# KiCad board SSRU_v3.3.kicad_pcb
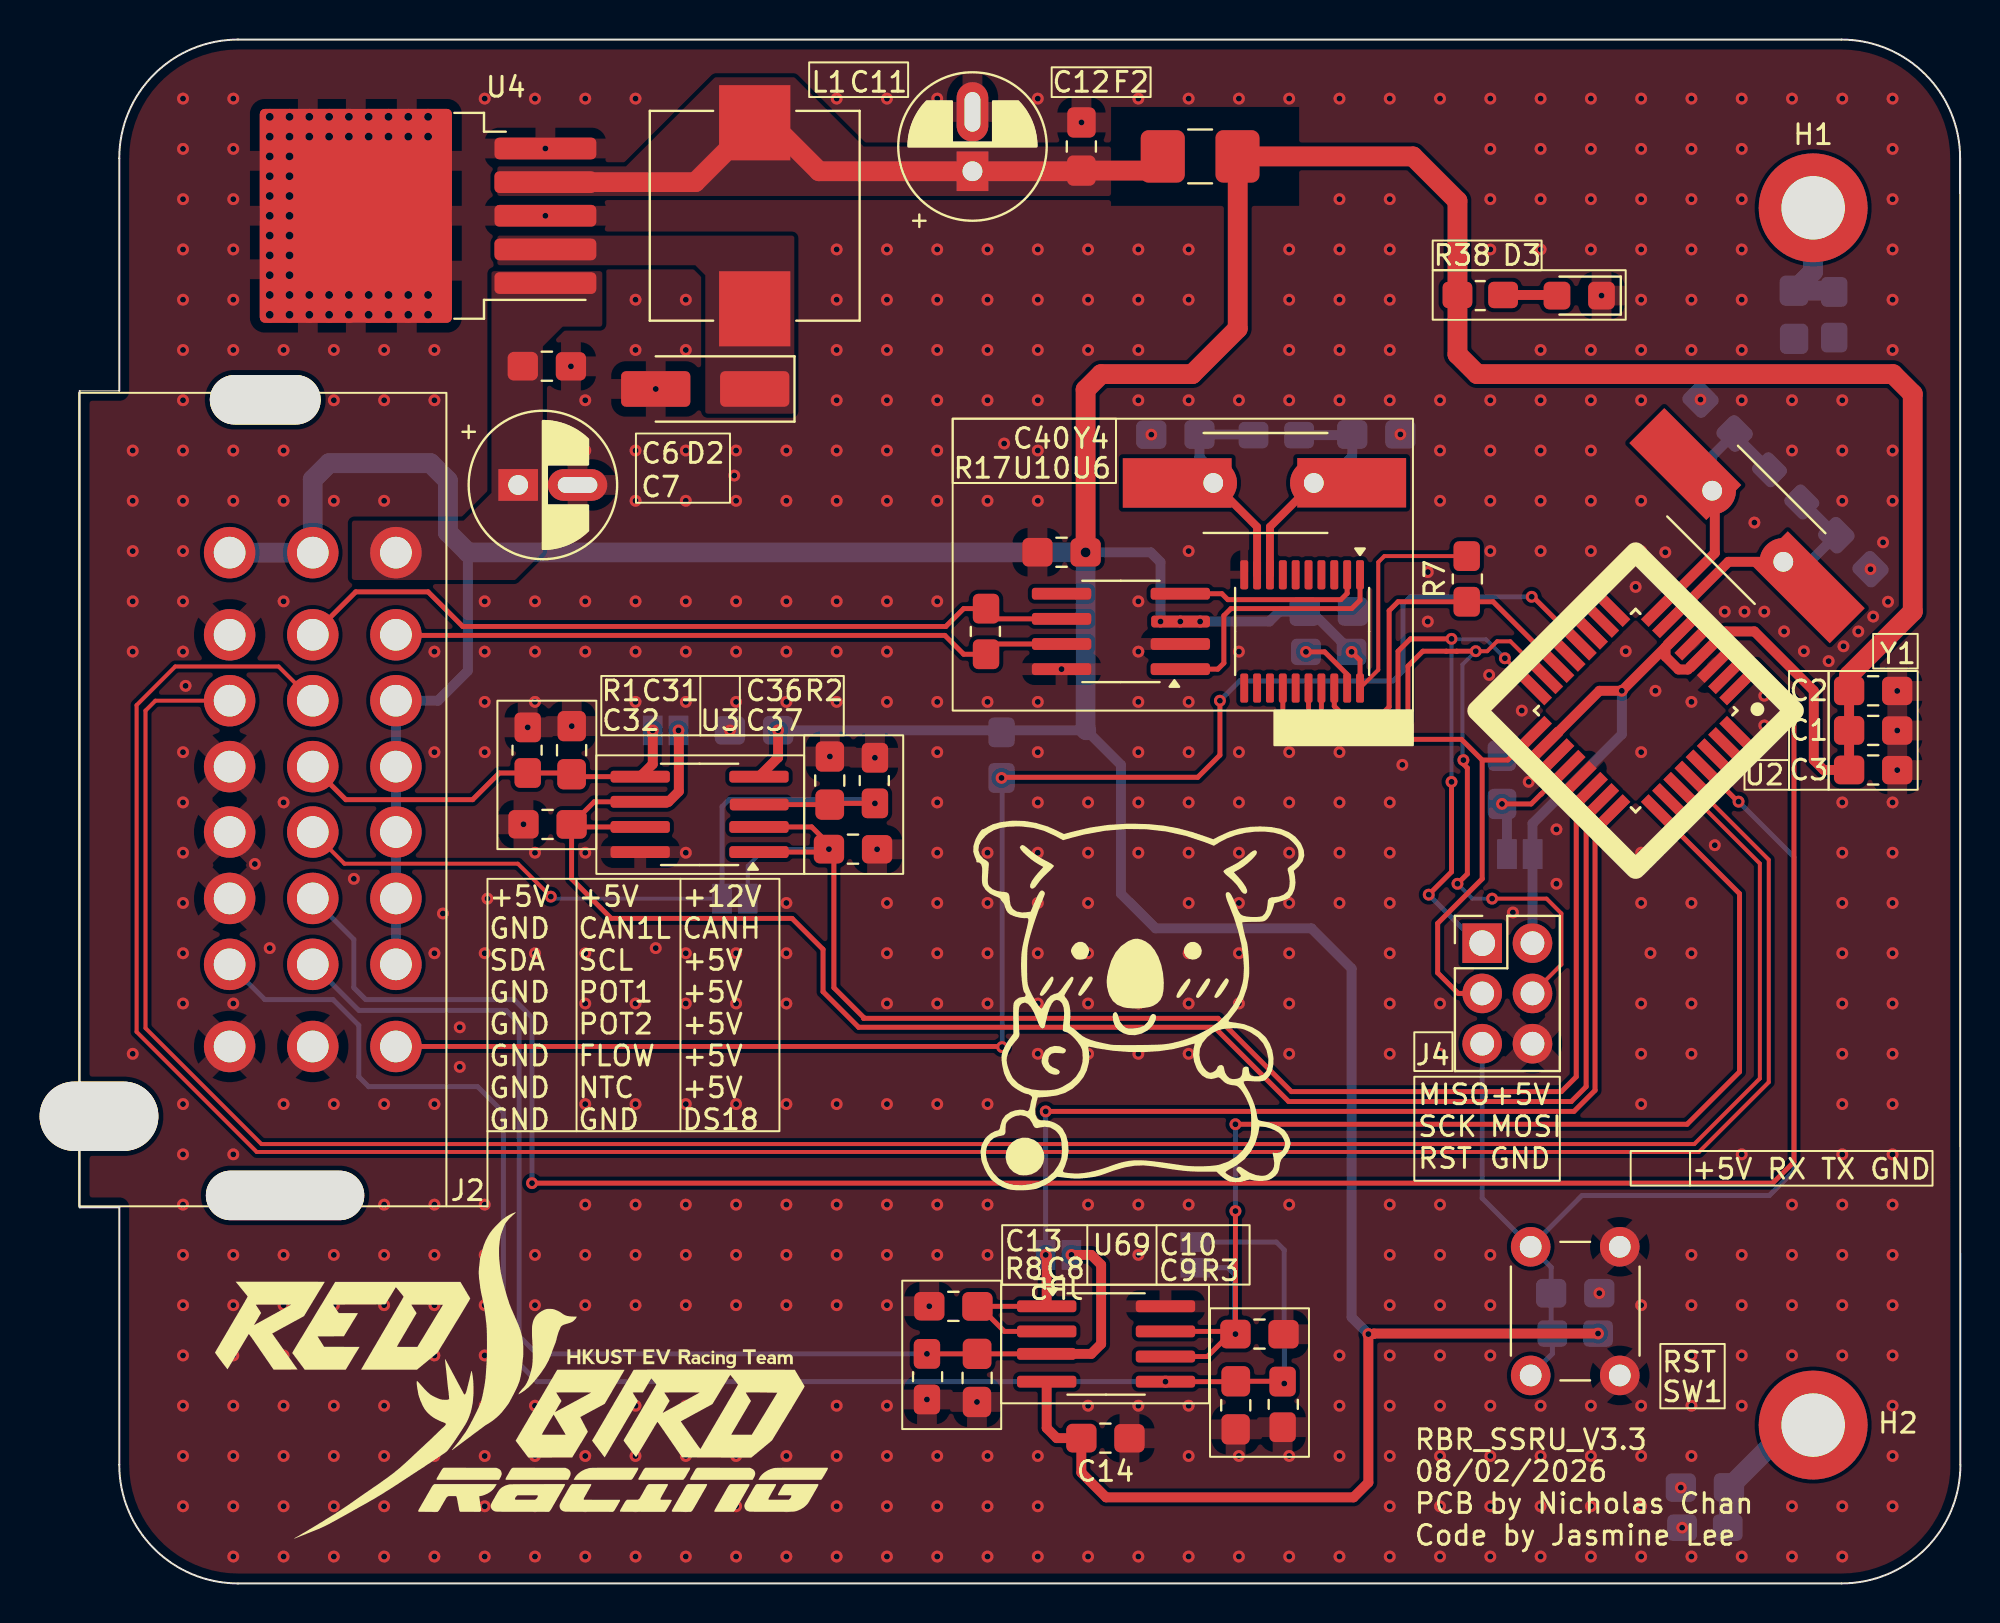
[diagram p0: board, top side]
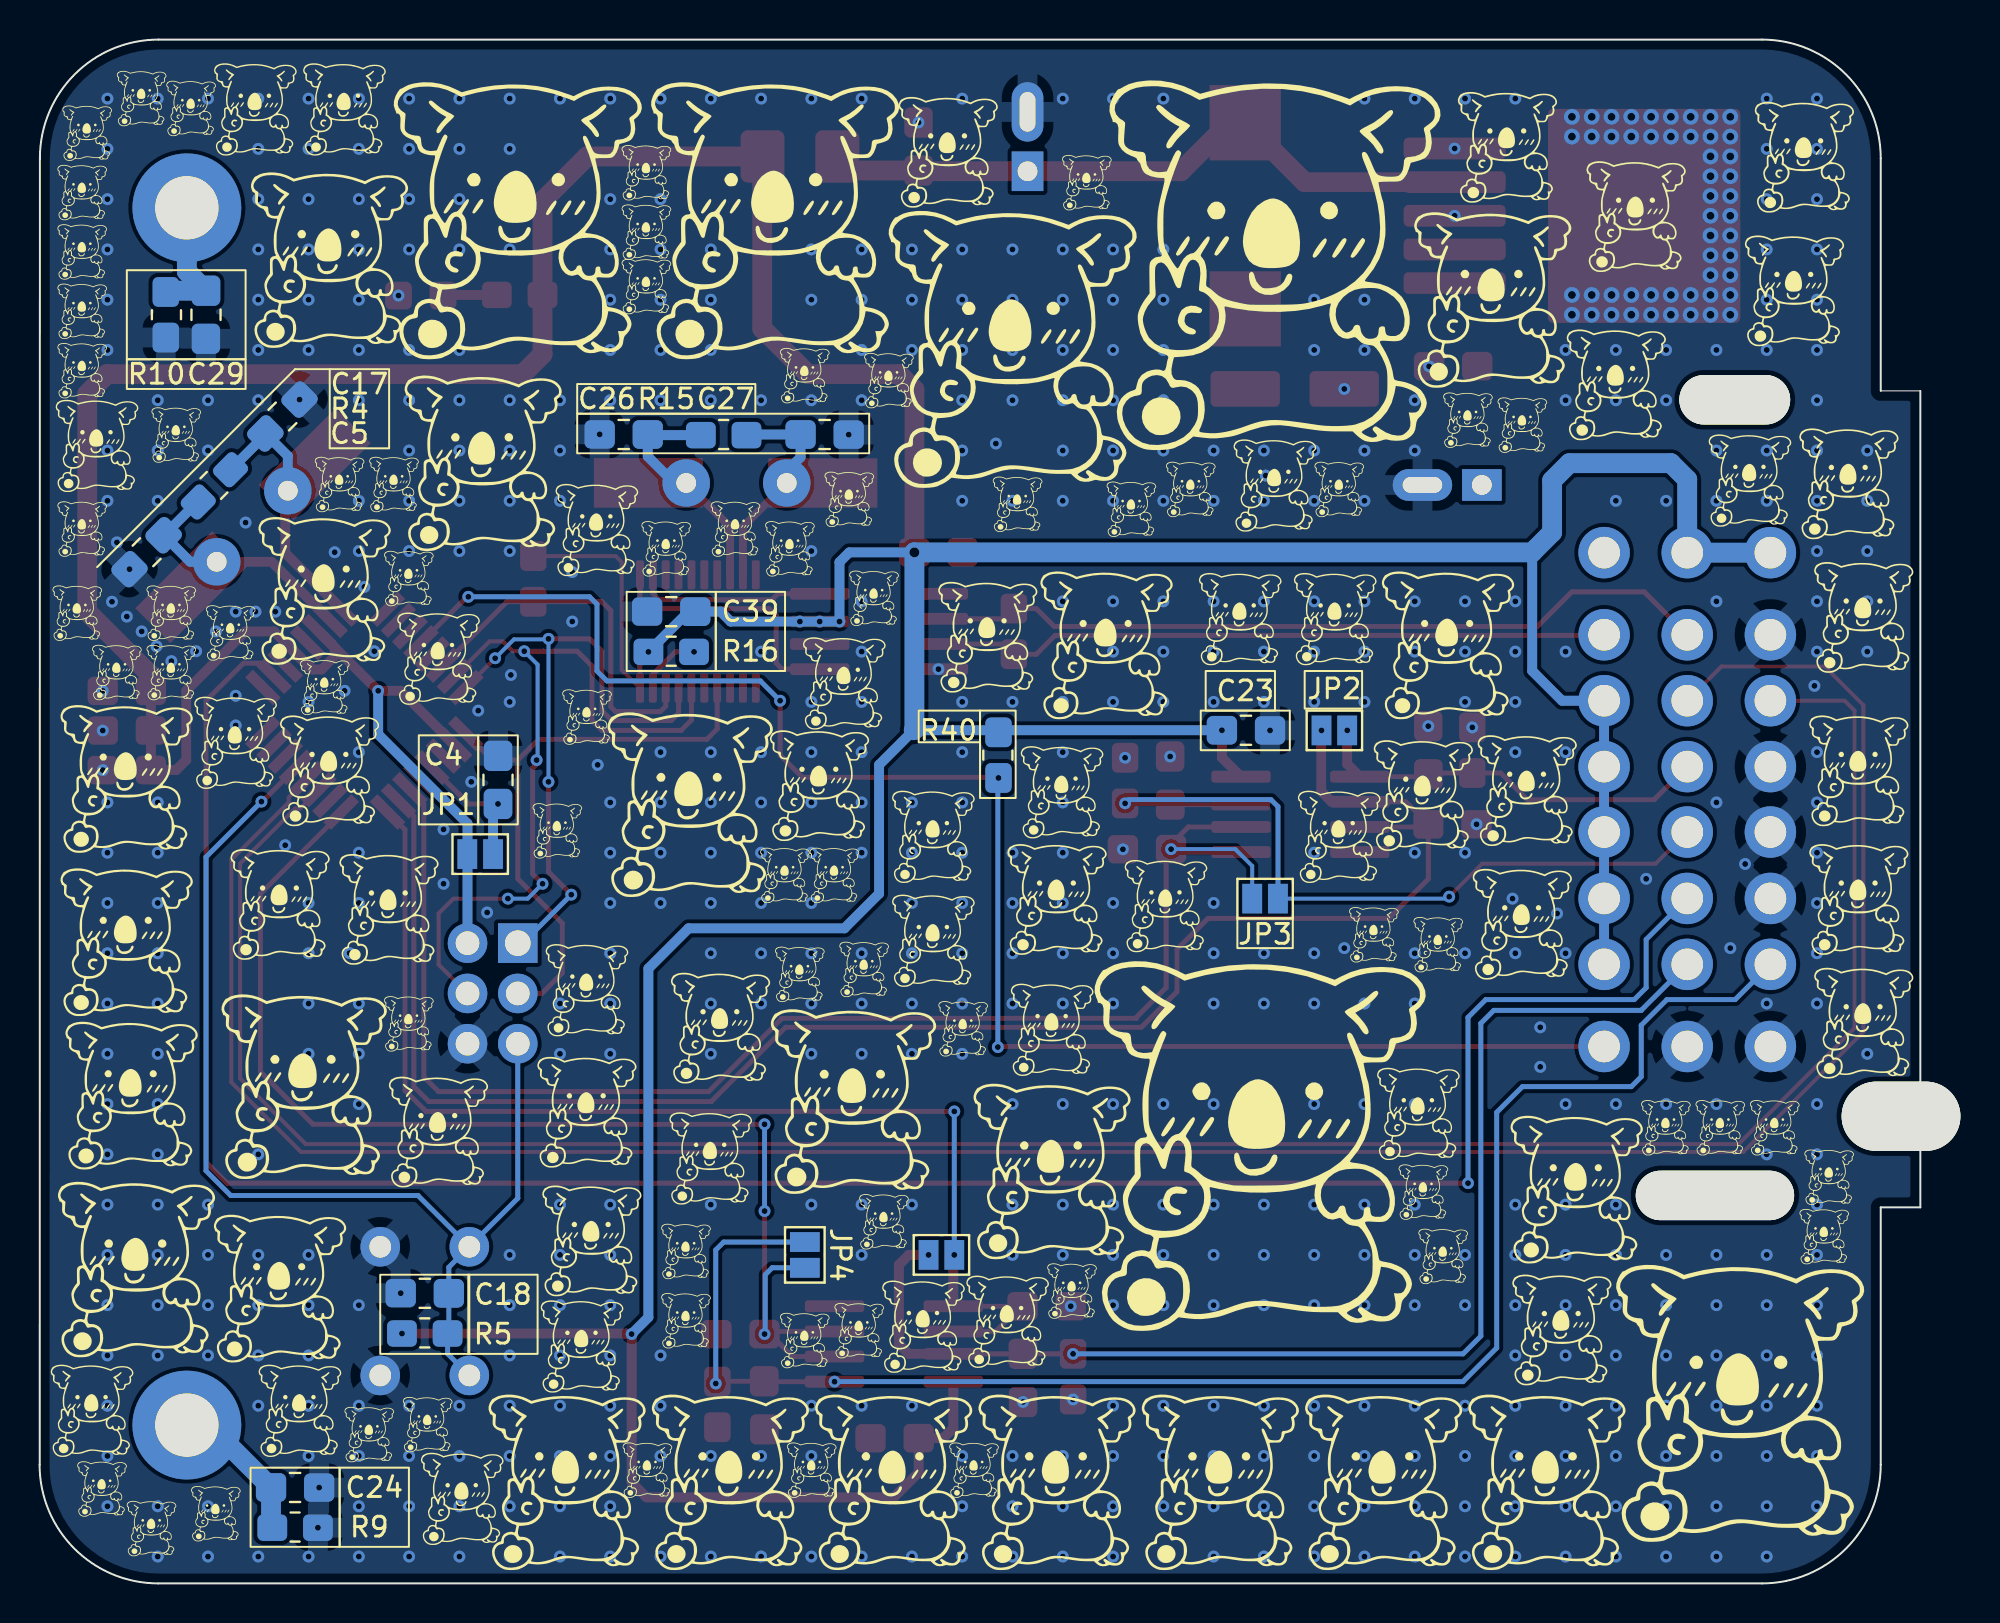
[diagram p1: board, bottom side, seen from below]

Outline 95.01 x 78 mm; copper layers: Top, Bottom. Coordinates in mm from the lower left corner of the outline.
Outline path: 89,0 8,0 arc(3.76,1.76) 2,6 2,19 0,19 0,60.25 2,60.25 2,72 arc(3.76,76.24) 8,78 88.99,78 arc(93.24,76.24) 94.99,72 95,6 ; 95.01,6 arc(93.25,1.76) 89.01,0
Stack: Top 0.035mm / dielectric 1.51mm FR4 er 4.5 / Bottom 0.035mm

## Placement (name value [footprint] x y rotation side)
C1  100nF  [C_0805_2012Metric_Pad1.18x1.45mm_HandSolder_L]  90.6 43.1 180 top
C2  10uF  [C_0805_2012Metric_Pad1.18x1.45mm_HandSolder_L]  90.6 45.1 180 top
C3  100nF  [C_0805_2012Metric_Pad1.18x1.45mm_HandSolder_L]  90.6 41.1 180 top
C4  100nF  [C_0805_2012Metric_Pad1.18x1.45mm_HandSolder_L]  71.85 40.6 270 bottom
C5  22pF  [C_0805_2012Metric_Pad1.18x1.45mm_HandSolder_L]  89.6 52.1 135 bottom
C6  100nF  [C_0805_2012Metric_Pad1.18x1.45mm_HandSolder_L]  23.6 61.5 180 top
C7  100uF  [CP_Radial_D6.3mm_P2.50mm_handsolder]  22.15 55.5 0 top
C8  100nF  [C_0805_2012Metric_Pad1.18x1.45mm_HandSolder_L]  45.33 10.38 90 top
C9  100nF  [C_0805_2012Metric_Pad1.18x1.45mm_HandSolder_L]  58.4 9 90 top
C10  100nF  [C_0805_2012Metric_Pad1.18x1.45mm_HandSolder_L]  59.6 12.6 180 top
C11  330uF  [CP_Radial_D6.3mm_P2.50mm_handsolder]  45.1 71.35 90 top
C12  100nF  [C_0805_2012Metric_Pad1.18x1.45mm_HandSolder_L]  50.6 72.6 270 top
C13  100nF  [C_0805_2012Metric_Pad1.18x1.45mm_HandSolder_L]  44.13 14 0 top
C14  100nF  [C_0805_2012Metric_Pad1.18x1.45mm_HandSolder_L]  51.82 7.34 180 top
C17  22pF  [C_0805_2012Metric_Pad1.18x1.45mm_HandSolder_L]  82.74 58.96 315 bottom
C18  10uF  [C_0805_2012Metric_Pad1.18x1.45mm_HandSolder_L]  75.55 14.66 180 bottom
C23  100nF  [C_0805_2012Metric_Pad1.18x1.45mm_HandSolder_L]  34.07 43.1 0 bottom
C24  100nF  [C_0805_2012Metric_Pad1.18x1.45mm_HandSolder_L]  82.1 4.85 0 bottom
C26  16pF  [C_0805_2012Metric_Pad1.18x1.45mm_HandSolder_L]  65.5 58.05 180 bottom
C27  16pF  [C_0805_2012Metric_Pad1.18x1.45mm_HandSolder_L]  55.35 58.05 0 bottom
C29  100nF  [C_0805_2012Metric_Pad1.18x1.45mm_HandSolder_L]  86.6 64.1 90 bottom
C31  100nF  [C_0805_2012Metric_Pad1.18x1.45mm_HandSolder_L]  24.85 42.1 270 top
C32  100nF  [C_0805_2012Metric_Pad1.18x1.45mm_HandSolder_L]  23.63 38.35 0 top
C36  100nF  [C_0805_2012Metric_Pad1.18x1.45mm_HandSolder_L]  37.89 40.56 270 top
C37  100nF  [C_0805_2012Metric_Pad1.18x1.45mm_HandSolder_L]  39.07 37.1 180 top
C39  100nF  [C_0805_2012Metric_Pad1.18x1.45mm_HandSolder_L]  63.1 49.1 180 bottom
C40  100nF  [C_0805_2012Metric_Pad1.18x1.45mm_HandSolder_L]  49.6 52.1 180 top
D2  SMA Diode  [D_SMA_Handsoldering]  31.6 60.35 180 top
D3  LED  [LED_0805_2012Metric_Pad1.45x1.40mm_HandSolder]  75.75 65.07 180 top
F2  Fuse  [Fuse_1210_3225Metric_Pad1.42x2.65mm_HandSolder]  56.6 72.1 0 top
G***  -  [LOGO]  53.52 29.7 0 top
G***#2  LOGO  [RBR_logo]  22.6 10.6 0 top
G***#3  -  [LOGO]  4.6 20.6 180 bottom
G***#4  -  [LOGO]  43.85 28.1 180 bottom
G***#5  -  [LOGO]  57.83 69.23 180 bottom
G***#6  -  [LOGO]  79.85 55.6 180 bottom
G***#7  -  [LOGO]  73.65 4.4 180 bottom
G***#8  -  [LOGO]  80.6 50.35 180 bottom
G***#9  -  [LOGO]  77.35 34.21 180 bottom
G***#10  -  [LOGO]  2.85 48.96 180 bottom
G***#11  -  [LOGO]  91.85 4.85 180 bottom
G***#12  -  [LOGO]  93.1 49.1 180 bottom
G***#13  -  [LOGO]  23.85 47.6 180 bottom
G***#14  -  [LOGO]  43.6 5.35 180 bottom
G***#15  -  [LOGO]  19.85 40.21 180 bottom
G***#16  -  [LOGO]  81.63 25.35 180 bottom
G***#17  -  [LOGO]  62.35 16.85 180 bottom
G***#18  -  [LOGO]  66.85 53.35 180 bottom
G***#19  -  [LOGO]  59.85 53.35 180 bottom
G***#20  -  [LOGO]  76.35 28.35 180 bottom
G***#21  -  [LOGO]  52.1 60.85 180 bottom
G***#22  -  [LOGO]  14.35 69.21 180 bottom
G***#23  -  [LOGO]  92.85 61.35 180 bottom
G***#24  -  [LOGO]  90.6 40.85 180 bottom
G***#25  -  [LOGO]  60.6 28.21 180 bottom
G***#26  -  [LOGO]  67.35 30.1 180 bottom
G***#27  -  [LOGO]  49.1 72.46 180 bottom
G***#28  -  [LOGO]  88.35 49.1 180 bottom
G***#29  -  [LOGO]  64.35 71.35 180 bottom
G***#30  -  [LOGO]  90.1 16.1 180 bottom
G***#31  -  [LOGO]  47.1 47.96 180 bottom
G***#32  -  [LOGO]  53.6 12.85 180 bottom
G***#33  -  [LOGO]  56.35 61.1 180 bottom
G***#34  -  [LOGO]  61.1 21.6 180 bottom
G***#35  -  [LOGO]  86.1 3.6 180 bottom
G***#36  -  [LOGO]  21.59 65.08 180 bottom
G***#37  -  [LOGO]  62.35 13.35 180 bottom
G***#38  -  [LOGO]  41.1 47.6 180 bottom
G***#39  -  [LOGO]  22.85 58.85 180 bottom
G***#40  -  [LOGO]  67.35 23.96 180 bottom
G***#41  -  [LOGO]  76.35 50.85 180 bottom
G***#42  -  [LOGO]  51.85 5.35 180 bottom
G***#43  -  [LOGO]  63.35 52.35 180 bottom
G***#44  -  [LOGO]  64.35 65.6 180 bottom
G***#45  -  [LOGO]  81.85 8.85 180 bottom
G***#46  -  [LOGO]  92.85 53.35 180 bottom
G***#47  -  [LOGO]  10.1 23.1 180 bottom
G***#48  -  [LOGO]  90.35 24.85 180 bottom
G***#49  -  [LOGO]  88.1 58.1 180 bottom
G***#50  -  [LOGO]  49.85 32.6 180 bottom
G***#51  -  [LOGO]  84.1 74.6 180 bottom
G***#52  -  [LOGO]  74.85 22.96 180 bottom
G***#53  -  [LOGO]  82.85 15.1 180 bottom
G***#54  -  [LOGO]  27.1 5.35 180 bottom
G***#55  -  [LOGO]  42.1 70.85 180 bottom
G***#56  -  [LOGO]  88.35 46.1 180 bottom
G***#57  -  [LOGO]  79.6 74.6 180 bottom
G***#58  -  [LOGO]  72.59 56.83 180 bottom
G***#59  -  [LOGO]  20.85 72.71 180 bottom
G***#60  -  [LOGO]  92.1 57.6 180 bottom
G***#61  -  [LOGO]  64.3 5.8 180 bottom
G***#62  -  [LOGO]  52.85 49.85 180 bottom
G***#63  -  [LOGO]  2.85 28.46 180 bottom
G***#64  -  [LOGO]  17.35 20.1 180 bottom
G***#65  -  [LOGO]  82.85 34.46 180 bottom
G***#66  -  [LOGO]  55.6 40.46 180 bottom
G***#67  -  [LOGO]  25.1 19.85 180 bottom
G***#68  -  [LOGO]  7.35 23.1 180 bottom
G***#69  -  [LOGO]  78.35 7.6 180 bottom
G***#70  -  [LOGO]  43.85 21.05 180 bottom
G***#71  -  [LOGO]  49.85 37.85 180 bottom
G***#72  -  [LOGO]  33.33 22.6 180 bottom
G***#73  -  [LOGO]  4.85 17.6 180 bottom
G***#74  -  [LOGO]  45.6 54.6 180 bottom
G***#75  -  [LOGO]  18.1 12.96 180 bottom
G***#76  -  [LOGO]  48.35 28.1 180 bottom
G***#77  -  [LOGO]  36.85 55.35 180 bottom
G***#78  -  [LOGO]  80.35 41.21 180 bottom
G***#79  -  [LOGO]  3.1 41.21 180 bottom
G***#80  -  [LOGO]  45.83 62.73 180 bottom
G***#81  -  [LOGO]  42.85 14.85 180 bottom
G***#82  -  [LOGO]  74.85 46.85 180 bottom
G***#83  -  [LOGO]  24.35 32.35 180 bottom
G***#84  -  [LOGO]  3.6 55.71 180 bottom
G***#85  -  [LOGO]  39.85 54.35 180 bottom
G***#86  -  [LOGO]  54.35 45.6 180 bottom
G***#87  -  [LOGO]  87.35 74.6 180 bottom
G***#88  -  [LOGO]  20.1 58.6 180 bottom
G***#89  -  [LOGO]  92.6 73.35 180 bottom
G***#90  -  [LOGO]  43.6 34.71 180 bottom
G***#91  -  [LOGO]  68.85 38.1 180 bottom
G***#92  -  [LOGO]  52.35 18.35 180 bottom
G***#93  -  [LOGO]  9.08 9.48 180 bottom
G***#94  -  [LOGO]  32.6 55.6 180 bottom
G***#95  -  [LOGO]  85.35 48.1 180 bottom
G***#96  -  [LOGO]  89.85 75.1 180 bottom
G***#97  -  [LOGO]  92.85 70.35 180 bottom
G***#98  -  [LOGO]  54.85 35.85 180 bottom
G***#99  -  [LOGO]  70.83 69.23 180 bottom
G***#100  -  [LOGO]  56.35 12.35 180 bottom
G***#101  -  [LOGO]  43.35 40.1 180 bottom
G***#102  -  [LOGO]  12.85 23.1 180 bottom
G***#103  -  [LOGO]  53.35 31.1 180 bottom
G***#104  -  [LOGO]  25.35 23.85 180 bottom
G***#105  -  [LOGO]  32.58 67.1 180 bottom
G***#106  -  [LOGO]  64.35 68.35 180 bottom
G***#107  -  [LOGO]  25.1 39.96 180 bottom
G***#108  -  [LOGO]  53.88 24.6 180 bottom
G***#109  -  [LOGO]  60.1 5.35 180 bottom
G***#110  -  [LOGO]  92.35 8.85 180 bottom
G***#111  -  [LOGO]  67.35 43.85 180 bottom
G***#112  -  [LOGO]  62.13 39.6 180 bottom
G***#113  -  [LOGO]  91.1 46.1 180 bottom
G***#114  -  [LOGO]  90.6 32.6 180 bottom
G***#115  -  [LOGO]  46.1 13.35 180 bottom
G***#116  -  [LOGO]  3.1 34.71 180 bottom
G***#117  -  [LOGO]  38.1 34.35 180 bottom
G***#118  -  [LOGO]  29.35 37.85 180 bottom
G***#119  -  [LOGO]  77.1 55.6 180 bottom
G***#120  -  [LOGO]  5.85 72.21 180 bottom
G***#121  -  [LOGO]  67.6 12.1 180 bottom
G***#122  -  [LOGO]  68.35 5.35 180 bottom
G***#123  -  [LOGO]  56 5.8 180 bottom
G***#124  -  [LOGO]  18.85 5.35 180 bottom
G***#125  -  [LOGO]  57.35 35.85 180 bottom
G***#126  -  [LOGO]  80.6 45.35 180 bottom
G***#127  -  [LOGO]  92.85 64.35 180 bottom
G***#128  -  [LOGO]  29.55 48.85 180 bottom
G***#129  -  [LOGO]  85.1 42.6 180 bottom
G***#130  -  [LOGO]  80.35 67.1 180 bottom
G***#131  -  [LOGO]  57.1 52.35 180 bottom
G***#132  -  [LOGO]  35.35 5.35 180 bottom
G***#133  -  [LOGO]  67.1 17.46 180 bottom
G***#134  -  [LOGO]  29.35 55.35 180 bottom
G***#135  -  [LOGO]  8.6 55.85 180 bottom
G***#136  -  [LOGO]  20.1 33.46 180 bottom
G***#137  -  [LOGO]  50.35 13.1 180 bottom
G***#138  -  [LOGO]  75.4 8.1 180 bottom
G***#139  -  [LOGO]  47.8 5.8 180 bottom
G***#140  -  [LOGO]  24.1 16.6 180 bottom
G***#141  -  [LOGO]  92.85 67.35 180 bottom
G***#142  -  [LOGO]  6.35 65.46 180 bottom
G***#143  -  [LOGO]  56.6 30.85 180 bottom
G***#144  -  [LOGO]  27.6 32.85 180 bottom
G***#145  -  [LOGO]  54.1 54.85 180 bottom
G***#146  -  [LOGO]  15.35 60.71 180 bottom
G***#147  -  [LOGO]  34.35 48.85 180 bottom
G***#148  -  [LOGO]  89.35 2.85 180 bottom
H1  MountingHole_Pad  [MountingHole_3.2mm_M3_ISO14580_Pad]  87.57 69.5 0 top
H2  MountingHole_Pad  [MountingHole_3.2mm_M3_ISO14580_Pad]  87.57 8 0 top
J2  Conn_01x24  [HD241_24pin]  15.97 39.6 270 top
J4  AVR-ISP-6  [PinHeader_2x03_P2.54mm_Vertical]  70.85 32.35 0 top
JP1  Jumper_2_Open  [SolderJumper-2_P1.3mm_Open_Pad1.0x1.5mm]  72.75 36.85 180 bottom
JP2  Jumper_2_Open  [SolderJumper-2_P1.3mm_Open_Pad1.0x1.5mm]  29.6 43.1 0 bottom
JP3  Jumper_2_Open  [SolderJumper-2_P1.3mm_Open_Pad1.0x1.5mm]  33.1 34.6 0 bottom
JP4  Jumper_2_Open  [SolderJumper-2_P1.3mm_Open_Pad1.0x1.5mm]  56.35 16.6 270 bottom
JP5  Jumper_2_Open  [SolderJumper-2_P1.3mm_Open_Pad1.0x1.5mm]  49.45 16.6 180 bottom
L1  330uH  [L_10.4x10.4_H4.8]  34.1 69.1 90 top
R1  1M  [R_0805_2012Metric_Pad1.20x1.40mm_HandSolder_L]  22.6 42.1 270 top
R2  1M  [R_0805_2012Metric_Pad1.20x1.40mm_HandSolder_L]  40.14 40.56 270 top
R3  1M  [R_0805_2012Metric_Pad1.20x1.40mm_HandSolder_L]  60.8 9.05 90 top
R4  10M  [R_0805_2012Metric_Pad1.20x1.40mm_HandSolder_L]  86.2 55.48 315 bottom
R5  4.7k  [R_0805_2012Metric_Pad1.20x1.40mm_HandSolder_L]  75.55 12.66 0 bottom
R7  4.7k  [R_0805_2012Metric_Pad1.20x1.40mm_HandSolder_L]  70.1 50.75 90 top
R8  1M  [R_0805_2012Metric_Pad1.20x1.40mm_HandSolder_L]  42.83 10.45 90 top
R9  1M  [R_0805_2012Metric_Pad1.20x1.40mm_HandSolder_L]  82.1 2.85 0 bottom
R10  1M  [R_0805_2012Metric_Pad1.20x1.40mm_HandSolder_L]  88.6 64.1 90 bottom
R15  10M  [R_0805_2012Metric_Pad1.20x1.40mm_HandSolder_L]  60.45 58.05 0 bottom
R16  10k  [R_0805_2012Metric_Pad1.20x1.40mm_HandSolder_L]  63.1 47.1 0 bottom
R17  120R  [R_0805_2012Metric_Pad1.20x1.40mm_HandSolder_L]  45.75 48.1 270 top
R38  330R  [R_0805_2012Metric_Pad1.20x1.40mm_HandSolder_L]  70.75 65.07 0 top
R40  4k7  [R_0805_2012Metric_Pad1.20x1.40mm_HandSolder_L]  46.6 41.85 270 bottom
SW1  SW_Push  [SW_PUSH_6mm_H5mm]  77.8 17.01 270 top
U2  ATmega328P-A  [TQFP-32_7x7mm_P0.8mm_L]  78.6 44.1 225 top
U3  SGM722  [SOIC-8_3.9x4.9mm_P1.27mm_RMC_Handsolder]  31.32 38.85 180 top
U4  LM2576S-5  [TO-263-5_TabPin3_Handsolder]  15.6 69.1 180 top
U6  MCP2515-xST  [TSSOP-20_4.4x6.5mm_P0.65mm]  61.75 48.1 270 top
U10  TJA1051T  [SOIC-8_3.9x4.9mm_P1.27mm_RMC_Handsolder]  52.6 48.1 180 top
U69  SGM722  [SOIC-8_3.9x4.9mm_P1.27mm_RMC_Handsolder]  51.85 12.1 0 top
Y1  16MHz  [Crystal_HC49-U_Vertical_W_SMD]  82.47 55.21 315 top
Y4  20MHz  [Crystal_HC49-U_Vertical_W_SMD]  62.34 55.6 180 top
